# Altium PCB PCB1.PcbDoc (part 12 of 14) (continued)
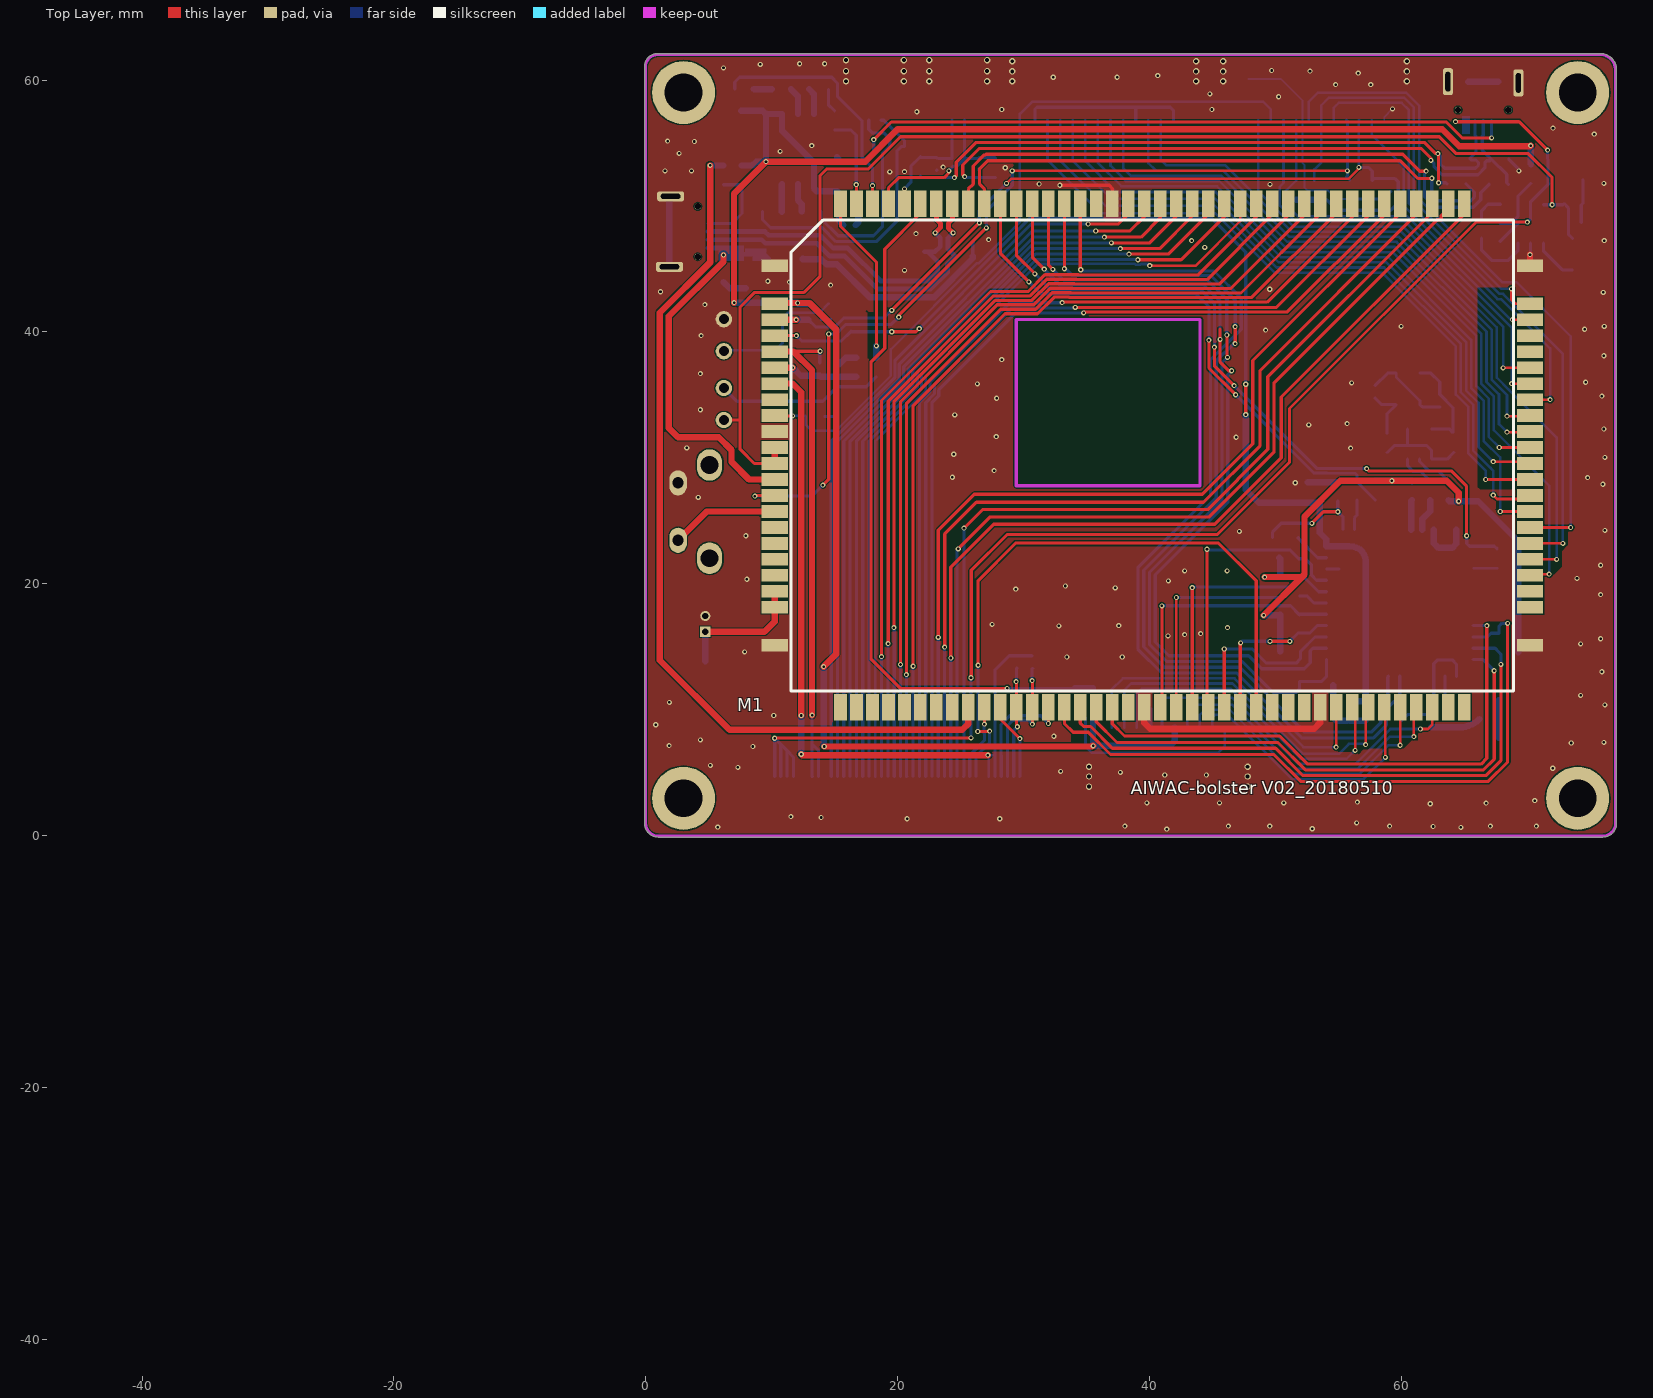
[diagram p0: Top Layer view]
## Free pads (board coordinates) (continued)
  round 0.001 on Mech10: 1(-45.291,-40.5) 1(-45.291,-40.5) 1(-45.291,-40.5) 1(-45.291,-40.495) 1(-45.291,-40.495) 1(-45.291,-40.495) 1(-45.287,-40.49) 1(-45.287,-40.49) 1(-45.287,-40.49) 1(-45.287,-40.488) 1(-45.287,-40.488) 1(-45.287,-40.488) 1(-45.287,-40.485) 1(-45.287,-40.485) 1(-45.287,-40.485) 1(-45.287,-40.482) 1(-45.287,-40.482) 1(-45.287,-40.482)
  round 0.002 on Mech14: 1(-45.291,-40.5) 1(-45.291,-40.5) 1(-45.291,-40.5) 1(-45.291,-40.499) 1(-45.291,-40.499) 1(-45.291,-40.499) 1(-45.291,-40.496) 1(-45.291,-40.496) 1(-45.291,-40.496) 1(-45.291,-40.495) 1(-45.291,-40.495) 1(-45.291,-40.495) 1(-45.289,-40.501) 1(-45.289,-40.501) 1(-45.289,-40.501) 1(-45.289,-40.501) 1(-45.289,-40.501) 1(-45.289,-40.501) 1(-45.289,-40.494) 1(-45.289,-40.494) 1(-45.289,-40.494) 1(-45.289,-40.494) 1(-45.289,-40.494) 1(-45.289,-40.494) 1(-45.287,-40.49) 1(-45.287,-40.49) 1(-45.287,-40.49) 1(-45.287,-40.488) 1(-45.287,-40.488) 1(-45.287,-40.488) 1(-45.287,-40.485) 1(-45.287,-40.485) 1(-45.287,-40.485) 1(-45.287,-40.482) 1(-45.287,-40.482) 1(-45.287,-40.482)
  round 0.002 on Mech15: 1(-45.291,-40.5) 1(-45.291,-40.5) 1(-45.291,-40.5) 1(-45.291,-40.499) 1(-45.291,-40.499) 1(-45.291,-40.499) 1(-45.291,-40.496) 1(-45.291,-40.496) 1(-45.291,-40.496) 1(-45.291,-40.495) 1(-45.291,-40.495) 1(-45.291,-40.495) 1(-45.289,-40.501) 1(-45.289,-40.501) 1(-45.289,-40.501) 1(-45.289,-40.501) 1(-45.289,-40.501) 1(-45.289,-40.501) 1(-45.289,-40.494) 1(-45.289,-40.494) 1(-45.289,-40.494) 1(-45.289,-40.494) 1(-45.289,-40.494) 1(-45.289,-40.494) 1(-45.287,-40.49) 1(-45.287,-40.49) 1(-45.287,-40.49) 1(-45.287,-40.488) 1(-45.287,-40.488) 1(-45.287,-40.488) 1(-45.287,-40.485) 1(-45.287,-40.485) 1(-45.287,-40.485) 1(-45.287,-40.482) 1(-45.287,-40.482) 1(-45.287,-40.482)
  round 0.005 on Mech3: 1(-45.291,-40.517) 1(-45.291,-40.517) 1(-45.291,-40.517) 1(-45.291,-40.464) 1(-45.291,-40.464) 1(-45.291,-40.464) 1(-45.22,-40.517) 1(-45.22,-40.517) 1(-45.22,-40.517) 1(-45.22,-40.464) 1(-45.22,-40.464) 1(-45.22,-40.464)
  round 0.005 on Mech2: 1(-45.291,-40.517) 1(-45.291,-40.517) 1(-45.291,-40.517) 1(-45.291,-40.464) 1(-45.291,-40.464) 1(-45.291,-40.464) 1(-45.22,-40.517) 1(-45.22,-40.517) 1(-45.22,-40.517) 1(-45.22,-40.464) 1(-45.22,-40.464) 1(-45.22,-40.464)
  round 0.005 on Mech10: 1(-45.291,-40.517) 1(-45.291,-40.517) 1(-45.291,-40.517) 1(-45.291,-40.464) 1(-45.291,-40.464) 1(-45.291,-40.464) 1(-45.22,-40.517) 1(-45.22,-40.517) 1(-45.22,-40.517) 1(-45.22,-40.464) 1(-45.22,-40.464) 1(-45.22,-40.464)
  round 0.005 on Mech14: 1(-45.291,-40.517) 1(-45.291,-40.517) 1(-45.291,-40.517) 1(-45.291,-40.464) 1(-45.291,-40.464) 1(-45.291,-40.464) 1(-45.22,-40.517) 1(-45.22,-40.517) 1(-45.22,-40.517) 1(-45.22,-40.464) 1(-45.22,-40.464) 1(-45.22,-40.464)
  round 0.005 on Mech15: 1(-45.291,-40.517) 1(-45.291,-40.517) 1(-45.291,-40.517) 1(-45.291,-40.464) 1(-45.291,-40.464) 1(-45.291,-40.464) 1(-45.22,-40.517) 1(-45.22,-40.517) 1(-45.22,-40.517) 1(-45.22,-40.464) 1(-45.22,-40.464) 1(-45.22,-40.464)
  round 0 on Mech5: 1(-45.29,-40.512) 1(-45.29,-40.512) 1(-45.29,-40.512) 1(-45.29,-40.512) 1(-45.29,-40.512) 1(-45.29,-40.512) 1(-45.29,-40.509) 1(-45.29,-40.509) 1(-45.29,-40.509) 1(-45.29,-40.509) 1(-45.29,-40.509) 1(-45.29,-40.509) 1(-45.289,-40.51) 1(-45.289,-40.51) 1(-45.289,-40.51) 1(-45.289,-40.511) 1(-45.289,-40.511) 1(-45.289,-40.511) 1(-45.289,-40.51) 1(-45.289,-40.51) 1(-45.289,-40.51) 1(-45.288,-40.51) 1(-45.288,-40.51) 1(-45.288,-40.51) 1(-45.288,-40.512) 1(-45.288,-40.512) 1(-45.288,-40.512) 1(-45.288,-40.512) 1(-45.288,-40.512) 1(-45.288,-40.512) 1(-45.288,-40.509) 1(-45.288,-40.509) 1(-45.288,-40.509) 1(-45.288,-40.509) 1(-45.288,-40.509) 1(-45.288,-40.509) 1(-45.287,-40.467) 1(-45.287,-40.467) 1(-45.287,-40.467) 1(-45.286,-40.478) 1(-45.286,-40.478) 1(-45.286,-40.478) 1(-45.286,-40.468) 1(-45.286,-40.468) 1(-45.286,-40.468) 1(-45.286,-40.467) 1(-45.286,-40.467) 1(-45.286,-40.467) 1(-45.286,-40.479) 1(-45.286,-40.479) 1(-45.286,-40.479) 1(-45.286,-40.478) 1(-45.286,-40.478) 1(-45.286,-40.478) 1(-45.286,-40.467) 1(-45.286,-40.467) 1(-45.286,-40.467) 1(-45.285,-40.478) 1(-45.285,-40.478) 1(-45.285,-40.478) 1(-45.283,-40.477) 1(-45.283,-40.477) 1(-45.283,-40.477) 1(-45.283,-40.478) 1(-45.283,-40.478) 1(-45.283,-40.478) 1(-45.283,-40.477) 1(-45.283,-40.477) 1(-45.283,-40.477) 1(-45.282,-40.477) 1(-45.282,-40.477) 1(-45.282,-40.477) 1(-45.282,-40.491) 1(-45.282,-40.491) 1(-45.282,-40.491) 1(-45.282,-40.491) 1(-45.282,-40.491) 1(-45.282,-40.491) 1(-45.282,-40.489) 1(-45.282,-40.489) 1(-45.282,-40.489) 1(-45.282,-40.489) 1(-45.282,-40.489) 1(-45.282,-40.489) 1(-45.281,-40.49) 1(-45.281,-40.49) 1(-45.281,-40.49) 1(-45.28,-40.49) 1(-45.28,-40.49) 1(-45.28,-40.49) 1(-45.28,-40.489) 1(-45.28,-40.489) 1(-45.28,-40.489) 1(-45.28,-40.49) 1(-45.28,-40.49) 1(-45.28,-40.49) 1(-45.279,-40.471) 1(-45.279,-40.471) 1(-45.279,-40.471) 1(-45.279,-40.491) 1(-45.279,-40.491) 1(-45.279,-40.491) 1(-45.279,-40.491) 1(-45.279,-40.491) 1(-45.279,-40.491) 1(-45.279,-40.489) 1(-45.279,-40.489) 1(-45.279,-40.489) 1(-45.279,-40.489) 1(-45.279,-40.489) 1(-45.279,-40.489) 1(-45.278,-40.471) 1(-45.278,-40.471) 1(-45.278,-40.471) 1(-45.278,-40.47) 1(-45.278,-40.47) 1(-45.278,-40.47) 1(-45.278,-40.471) 1(-45.278,-40.471) 1(-45.278,-40.471) 1(-45.239,-40.473) 1(-45.239,-40.473) 1(-45.239,-40.473) 1(-45.239,-40.473) 1(-45.239,-40.473) 1(-45.239,-40.473) 1(-45.239,-40.471) 1(-45.239,-40.471) 1(-45.239,-40.471) 1(-45.239,-40.471) 1(-45.239,-40.471) 1(-45.239,-40.471) 1(-45.238,-40.472) 1(-45.238,-40.472) 1(-45.238,-40.472) 1(-45.238,-40.472) 1(-45.238,-40.472) 1(-45.238,-40.472) 1(-45.238,-40.471) 1(-45.238,-40.471) 1(-45.238,-40.471) 1(-45.237,-40.472) 1(-45.237,-40.472) 1(-45.237,-40.472) 1(-45.237,-40.473) 1(-45.237,-40.473) 1(-45.237,-40.473) 1(-45.237,-40.473) 1(-45.237,-40.473) 1(-45.237,-40.473) 1(-45.237,-40.471) 1(-45.237,-40.471) 1(-45.237,-40.471) 1(-45.237,-40.471) 1(-45.237,-40.471) 1(-45.237,-40.471) 1(-45.237,-40.473) 1(-45.237,-40.473) 1(-45.237,-40.473) 1(-45.237,-40.473) 1(-45.237,-40.473) 1(-45.237,-40.473) 1(-45.237,-40.471) 1(-45.237,-40.471) 1(-45.237,-40.471) 1(-45.237,-40.471) 1(-45.237,-40.471) 1(-45.237,-40.471) 1(-45.236,-40.472) 1(-45.236,-40.472) 1(-45.236,-40.472) 1(-45.236,-40.472) 1(-45.236,-40.472) 1(-45.236,-40.472) 1(-45.236,-40.471) 1(-45.236,-40.471) 1(-45.236,-40.471) 1(-45.235,-40.472) 1(-45.235,-40.472) 1(-45.235,-40.472) 1(-45.235,-40.473) 1(-45.235,-40.473) 1(-45.235,-40.473) 1(-45.235,-40.473) 1(-45.235,-40.473) 1(-45.235,-40.473) 1(-45.235,-40.471) 1(-45.235,-40.471) 1(-45.235,-40.471) 1(-45.235,-40.471) 1(-45.235,-40.471) 1(-45.235,-40.471) 1(-45.221,-40.474) 1(-45.221,-40.474) 1(-45.221,-40.474) 1(-45.221,-40.474) 1(-45.221,-40.474) 1(-45.221,-40.474) 1(-45.221,-40.472) 1(-45.221,-40.472) 1(-45.221,-40.472) 1(-45.221,-40.472) 1(-45.221,-40.472) 1(-45.221,-40.472) 1(-45.221,-40.471) 1(-45.221,-40.471) 1(-45.221,-40.471) 1(-45.221,-40.472) 1(-45.221,-40.472) 1(-45.221,-40.472) 1(-45.221,-40.471) 1(-45.221,-40.471) 1(-45.221,-40.471) 1(-45.22,-40.473) 1(-45.22,-40.473) 1(-45.22,-40.473) 1(-45.22,-40.471) 1(-45.22,-40.471) 1(-45.22,-40.471) 1(-45.22,-40.474) 1(-45.22,-40.474) 1(-45.22,-40.474) 1(-45.22,-40.473) 1(-45.22,-40.473) 1(-45.22,-40.473) 1(-45.219,-40.473) 1(-45.219,-40.473) 1(-45.219,-40.473) 1(-45.219,-40.474) 1(-45.219,-40.474) 1(-45.219,-40.474) 1(-45.219,-40.474) 1(-45.219,-40.474) 1(-45.219,-40.474) 1(-45.219,-40.472) 1(-45.219,-40.472) 1(-45.219,-40.472) 1(-45.219,-40.472) 1(-45.219,-40.472) 1(-45.219,-40.472)
  round 0 on Mech4: 1(-45.29,-40.511) 1(-45.29,-40.511) 1(-45.29,-40.511) 1(-45.29,-40.511) 1(-45.29,-40.511) 1(-45.29,-40.511) 1(-45.29,-40.509) 1(-45.29,-40.509) 1(-45.29,-40.509) 1(-45.29,-40.509) 1(-45.29,-40.509) 1(-45.29,-40.509) 1(-45.288,-40.511) 1(-45.288,-40.511) 1(-45.288,-40.511) 1(-45.288,-40.511) 1(-45.288,-40.511) 1(-45.288,-40.511) 1(-45.288,-40.509) 1(-45.288,-40.509) 1(-45.288,-40.509) 1(-45.288,-40.509) 1(-45.288,-40.509) 1(-45.288,-40.509) 1(-45.287,-40.469) 1(-45.287,-40.469) 1(-45.287,-40.469) 1(-45.287,-40.469) 1(-45.287,-40.469) 1(-45.287,-40.469) 1(-45.287,-40.465) 1(-45.287,-40.465) 1(-45.287,-40.465) 1(-45.287,-40.465) 1(-45.287,-40.465) 1(-45.287,-40.465) 1(-45.287,-40.48) 1(-45.287,-40.48) 1(-45.287,-40.48) 1(-45.287,-40.48) 1(-45.287,-40.48) 1(-45.287,-40.48) 1(-45.287,-40.477) 1(-45.287,-40.477) 1(-45.287,-40.477) 1(-45.287,-40.477) 1(-45.287,-40.477) 1(-45.287,-40.477) 1(-45.285,-40.469) 1(-45.285,-40.469) 1(-45.285,-40.469) 1(-45.285,-40.469) 1(-45.285,-40.469) 1(-45.285,-40.469) 1(-45.285,-40.465) 1(-45.285,-40.465) 1(-45.285,-40.465) 1(-45.285,-40.465) 1(-45.285,-40.465) 1(-45.285,-40.465) 1(-45.285,-40.48) 1(-45.285,-40.48) 1(-45.285,-40.48) 1(-45.285,-40.48) 1(-45.285,-40.48) 1(-45.285,-40.48) 1(-45.285,-40.477) 1(-45.285,-40.477) 1(-45.285,-40.477) 1(-45.285,-40.477) 1(-45.285,-40.477) 1(-45.285,-40.477) 1(-45.284,-40.478) 1(-45.284,-40.478) 1(-45.284,-40.478) 1(-45.284,-40.478) 1(-45.284,-40.478) 1(-45.284,-40.478) 1(-45.284,-40.477) 1(-45.284,-40.477) 1(-45.284,-40.477) 1(-45.284,-40.477) 1(-45.284,-40.477) 1(-45.284,-40.477) 1(-45.281,-40.491) 1(-45.281,-40.491) 1(-45.281,-40.491) 1(-45.281,-40.491) 1(-45.281,-40.491) 1(-45.281,-40.491) 1(-45.281,-40.489) 1(-45.281,-40.489) 1(-45.281,-40.489) 1(-45.281,-40.489) 1(-45.281,-40.489) 1(-45.281,-40.489) 1(-45.281,-40.478) 1(-45.281,-40.478) 1(-45.281,-40.478) 1(-45.281,-40.478) 1(-45.281,-40.478) 1(-45.281,-40.478) 1(-45.281,-40.477) 1(-45.281,-40.477) 1(-45.281,-40.477) 1(-45.281,-40.477) 1(-45.281,-40.477) 1(-45.281,-40.477) 1(-45.279,-40.472) 1(-45.279,-40.472) 1(-45.279,-40.472) 1(-45.279,-40.472) 1(-45.279,-40.472) 1(-45.279,-40.472) 1(-45.279,-40.469) 1(-45.279,-40.469) 1(-45.279,-40.469) 1(-45.279,-40.469) 1(-45.279,-40.469) 1(-45.279,-40.469) 1(-45.279,-40.491) 1(-45.279,-40.491) 1(-45.279,-40.491) 1(-45.279,-40.491) 1(-45.279,-40.491) 1(-45.279,-40.491) 1(-45.279,-40.489) 1(-45.279,-40.489) 1(-45.279,-40.489) 1(-45.279,-40.489) 1(-45.279,-40.489) 1(-45.279,-40.489) 1(-45.278,-40.472) 1(-45.278,-40.472) 1(-45.278,-40.472) 1(-45.278,-40.472) 1(-45.278,-40.472) 1(-45.278,-40.472) 1(-45.278,-40.469) 1(-45.278,-40.469) 1(-45.278,-40.469) 1(-45.278,-40.469) 1(-45.278,-40.469) 1(-45.278,-40.469) 1(-45.238,-40.473) 1(-45.238,-40.473) 1(-45.238,-40.473) 1(-45.238,-40.473) 1(-45.238,-40.473) 1(-45.238,-40.473) 1(-45.238,-40.471) 1(-45.238,-40.471) 1(-45.238,-40.471) 1(-45.238,-40.471) 1(-45.238,-40.471) 1(-45.238,-40.471) 1(-45.237,-40.473) 1(-45.237,-40.473) 1(-45.237,-40.473) 1(-45.237,-40.473) 1(-45.237,-40.473) 1(-45.237,-40.473) 1(-45.237,-40.471) 1(-45.237,-40.471) 1(-45.237,-40.471) 1(-45.237,-40.471) 1(-45.237,-40.471) 1(-45.237,-40.471) 1(-45.237,-40.473) 1(-45.237,-40.473) 1(-45.237,-40.473) 1(-45.237,-40.473) 1(-45.237,-40.473) 1(-45.237,-40.473) 1(-45.237,-40.471) 1(-45.237,-40.471) 1(-45.237,-40.471) 1(-45.237,-40.471) 1(-45.237,-40.471) 1(-45.237,-40.471) 1(-45.235,-40.473) 1(-45.235,-40.473) 1(-45.235,-40.473) 1(-45.235,-40.473) 1(-45.235,-40.473) 1(-45.235,-40.473) 1(-45.235,-40.471) 1(-45.235,-40.471) 1(-45.235,-40.471) 1(-45.235,-40.471) 1(-45.235,-40.471) 1(-45.235,-40.471) 1(-45.222,-40.472) 1(-45.222,-40.472) 1(-45.222,-40.472) 1(-45.222,-40.472) 1(-45.222,-40.472) 1(-45.222,-40.472) 1(-45.222,-40.47) 1(-45.222,-40.47) 1(-45.222,-40.47) 1(-45.222,-40.47) 1(-45.222,-40.47) 1(-45.222,-40.47) 1(-45.221,-40.474) 1(-45.221,-40.474) 1(-45.221,-40.474) 1(-45.221,-40.474) 1(-45.221,-40.474) 1(-45.221,-40.474) 1(-45.221,-40.472) 1(-45.221,-40.472) 1(-45.221,-40.472) 1(-45.221,-40.472) 1(-45.221,-40.472) 1(-45.221,-40.472) 1(-45.219,-40.472) 1(-45.219,-40.472) 1(-45.219,-40.472) 1(-45.219,-40.472) 1(-45.219,-40.472) 1(-45.219,-40.472) 1(-45.219,-40.47) 1(-45.219,-40.47) 1(-45.219,-40.47) 1(-45.219,-40.47) 1(-45.219,-40.47) 1(-45.219,-40.47) 1(-45.219,-40.474) 1(-45.219,-40.474) 1(-45.219,-40.474) 1(-45.219,-40.474) 1(-45.219,-40.474) 1(-45.219,-40.474) 1(-45.219,-40.472) 1(-45.219,-40.472) 1(-45.219,-40.472) 1(-45.219,-40.472) 1(-45.219,-40.472) 1(-45.219,-40.472)
  round 0.001 on Mech14: 1(-45.29,-40.477) 1(-45.29,-40.477) 1(-45.29,-40.477) 1(-45.29,-40.473) 1(-45.29,-40.473) 1(-45.29,-40.473) 1(-45.271,-40.475) 1(-45.271,-40.475) 1(-45.271,-40.475) 1(-45.269,-40.475) 1(-45.269,-40.475) 1(-45.269,-40.475) 1(-45.229,-40.466) 1(-45.229,-40.466) 1(-45.229,-40.466) 1(-45.225,-40.466) 1(-45.225,-40.466) 1(-45.225,-40.466)
  round 0.001 on Mech15: 1(-45.29,-40.477) 1(-45.29,-40.477) 1(-45.29,-40.477) 1(-45.29,-40.473) 1(-45.29,-40.473) 1(-45.29,-40.473) 1(-45.284,-40.472) 1(-45.284,-40.472) 1(-45.284,-40.472) 1(-45.284,-40.471) 1(-45.284,-40.471) 1(-45.284,-40.471) 1(-45.284,-40.467) 1(-45.284,-40.467) 1(-45.284,-40.467) 1(-45.284,-40.465) 1(-45.284,-40.465) 1(-45.284,-40.465) 1(-45.283,-40.472) 1(-45.283,-40.472) 1(-45.283,-40.472) 1(-45.283,-40.471) 1(-45.283,-40.471) 1(-45.283,-40.471) 1(-45.283,-40.467) 1(-45.283,-40.467) 1(-45.283,-40.467) 1(-45.283,-40.465) 1(-45.283,-40.465) 1(-45.283,-40.465) 1(-45.282,-40.472) 1(-45.282,-40.472) 1(-45.282,-40.472) 1(-45.282,-40.471) 1(-45.282,-40.471) 1(-45.282,-40.471) 1(-45.282,-40.467) 1(-45.282,-40.467) 1(-45.282,-40.467) 1(-45.282,-40.465) 1(-45.282,-40.465) 1(-45.282,-40.465) 1(-45.28,-40.472) 1(-45.28,-40.472) 1(-45.28,-40.472) 1(-45.28,-40.471) 1(-45.28,-40.471) 1(-45.28,-40.471) 1(-45.28,-40.467) 1(-45.28,-40.467) 1(-45.28,-40.467) 1(-45.28,-40.465) 1(-45.28,-40.465) 1(-45.28,-40.465) 1(-45.271,-40.475) 1(-45.271,-40.475) 1(-45.271,-40.475) 1(-45.269,-40.475) 1(-45.269,-40.475) 1(-45.269,-40.475) 1(-45.233,-40.494) 1(-45.233,-40.494) 1(-45.233,-40.494) 1(-45.233,-40.493) 1(-45.233,-40.493) 1(-45.233,-40.493) 1(-45.232,-40.494) 1(-45.232,-40.494) 1(-45.232,-40.494) 1(-45.232,-40.493) 1(-45.232,-40.493) 1(-45.232,-40.493) 1(-45.232,-40.491) 1(-45.232,-40.491) 1(-45.232,-40.491) 1(-45.232,-40.491) 1(-45.232,-40.491) 1(-45.232,-40.491) 1(-45.231,-40.494) 1(-45.231,-40.494) 1(-45.231,-40.494) 1(-45.231,-40.493) 1(-45.231,-40.493) 1(-45.231,-40.493) 1(-45.231,-40.491) 1(-45.231,-40.491) 1(-45.231,-40.491) 1(-45.231,-40.491) 1(-45.231,-40.491) 1(-45.231,-40.491) 1(-45.229,-40.466) 1(-45.229,-40.466) 1(-45.229,-40.466) 1(-45.225,-40.466) 1(-45.225,-40.466) 1(-45.225,-40.466)
  round 0.002 on Mech3: 1(-45.289,-40.501) 1(-45.289,-40.501) 1(-45.289,-40.501) 1(-45.289,-40.501) 1(-45.289,-40.501) 1(-45.289,-40.501) 1(-45.289,-40.494) 1(-45.289,-40.494) 1(-45.289,-40.494) 1(-45.289,-40.494) 1(-45.289,-40.494) 1(-45.289,-40.494)
  round 0.002 on Mech2: 1(-45.289,-40.501) 1(-45.289,-40.501) 1(-45.289,-40.501) 1(-45.289,-40.501) 1(-45.289,-40.501) 1(-45.289,-40.501) 1(-45.289,-40.494) 1(-45.289,-40.494) 1(-45.289,-40.494) 1(-45.289,-40.494) 1(-45.289,-40.494) 1(-45.289,-40.494)
  round 0.002 on Mech10: 1(-45.289,-40.501) 1(-45.289,-40.501) 1(-45.289,-40.501) 1(-45.289,-40.501) 1(-45.289,-40.501) 1(-45.289,-40.501) 1(-45.289,-40.494) 1(-45.289,-40.494) 1(-45.289,-40.494) 1(-45.289,-40.494) 1(-45.289,-40.494) 1(-45.289,-40.494)
  round 0.001 on Mech13: 1(-45.284,-40.472) 1(-45.284,-40.472) 1(-45.284,-40.472) 1(-45.284,-40.471) 1(-45.284,-40.471) 1(-45.284,-40.471) 1(-45.284,-40.467) 1(-45.284,-40.467) 1(-45.284,-40.467) 1(-45.284,-40.465) 1(-45.284,-40.465) 1(-45.284,-40.465) 1(-45.283,-40.472) 1(-45.283,-40.472) 1(-45.283,-40.472) 1(-45.283,-40.471) 1(-45.283,-40.471) 1(-45.283,-40.471) 1(-45.283,-40.467) 1(-45.283,-40.467) 1(-45.283,-40.467) 1(-45.283,-40.465) 1(-45.283,-40.465) 1(-45.283,-40.465) 1(-45.282,-40.472) 1(-45.282,-40.472) 1(-45.282,-40.472) 1(-45.282,-40.471) 1(-45.282,-40.471) 1(-45.282,-40.471) 1(-45.282,-40.467) 1(-45.282,-40.467) 1(-45.282,-40.467) 1(-45.282,-40.465) 1(-45.282,-40.465) 1(-45.282,-40.465) 1(-45.28,-40.472) 1(-45.28,-40.472) 1(-45.28,-40.472) 1(-45.28,-40.471) 1(-45.28,-40.471) 1(-45.28,-40.471) 1(-45.28,-40.467) 1(-45.28,-40.467) 1(-45.28,-40.467) 1(-45.28,-40.465) 1(-45.28,-40.465) 1(-45.28,-40.465) 1(-45.233,-40.494) 1(-45.233,-40.494) 1(-45.233,-40.494) 1(-45.233,-40.493) 1(-45.233,-40.493) 1(-45.233,-40.493) 1(-45.232,-40.494) 1(-45.232,-40.494) 1(-45.232,-40.494) 1(-45.232,-40.493) 1(-45.232,-40.493) 1(-45.232,-40.493) 1(-45.232,-40.491) 1(-45.232,-40.491) 1(-45.232,-40.491) 1(-45.232,-40.491) 1(-45.232,-40.491) 1(-45.232,-40.491) 1(-45.231,-40.494) 1(-45.231,-40.494) 1(-45.231,-40.494) 1(-45.231,-40.493) 1(-45.231,-40.493) 1(-45.231,-40.493) 1(-45.231,-40.491) 1(-45.231,-40.491) 1(-45.231,-40.491) 1(-45.231,-40.491) 1(-45.231,-40.491) 1(-45.231,-40.491)
  round 0 on Mech11: 1(-45.282,-40.512) 1(-45.282,-40.512) 1(-45.282,-40.512) 1(-45.282,-40.512) 1(-45.282,-40.512) 1(-45.282,-40.512) 1(-45.282,-40.477) 1(-45.282,-40.477) 1(-45.282,-40.477) 1(-45.282,-40.477) 1(-45.282,-40.477) 1(-45.282,-40.477) 1(-45.28,-40.474) 1(-45.28,-40.474) 1(-45.28,-40.474) 1(-45.28,-40.474) 1(-45.28,-40.474) 1(-45.28,-40.474) 1(-45.225,-40.512) 1(-45.225,-40.512) 1(-45.225,-40.512) 1(-45.225,-40.512) 1(-45.225,-40.512) 1(-45.225,-40.512) 1(-45.225,-40.474) 1(-45.225,-40.474) 1(-45.225,-40.474) 1(-45.225,-40.474) 1(-45.225,-40.474) 1(-45.225,-40.474)
  round 0 on Mech9: 1(-45.264,-40.495) 1(-45.264,-40.495) 1(-45.264,-40.495) 1(-45.264,-40.495) 1(-45.264,-40.495) 1(-45.264,-40.495) 1(-45.264,-40.482) 1(-45.264,-40.482) 1(-45.264,-40.482) 1(-45.264,-40.482) 1(-45.264,-40.482) 1(-45.264,-40.482) 1(-45.25,-40.495) 1(-45.25,-40.495) 1(-45.25,-40.495) 1(-45.25,-40.495) 1(-45.25,-40.495) 1(-45.25,-40.495) 1(-45.25,-40.482) 1(-45.25,-40.482) 1(-45.25,-40.482) 1(-45.25,-40.482) 1(-45.25,-40.482) 1(-45.25,-40.482)
  round 0 on Mech6: 1(-45.264,-40.495) 1(-45.264,-40.495) 1(-45.264,-40.495) 1(-45.264,-40.495) 1(-45.264,-40.495) 1(-45.264,-40.495) 1(-45.264,-40.482) 1(-45.264,-40.482) 1(-45.264,-40.482) 1(-45.264,-40.482) 1(-45.264,-40.482) 1(-45.264,-40.482) 1(-45.25,-40.495) 1(-45.25,-40.495) 1(-45.25,-40.495) 1(-45.25,-40.495) 1(-45.25,-40.495) 1(-45.25,-40.495) 1(-45.25,-40.482) 1(-45.25,-40.482) 1(-45.25,-40.482) 1(-45.25,-40.482) 1(-45.25,-40.482) 1(-45.25,-40.482)
  round 0.406 hole 0.203: 4(22.987,47.854) 4(24.409,47.854)

## Via types
v1: diameter 0.406, hole 0.203, Top Layer to Bottom Layer, tented both sides, 294 vias
v2: diameter 0.508, hole 0.305, Top Layer to Bottom Layer, tented both sides, 30 vias

## Nets (pads, with @x,y where several pads share a name; then routed paths per layer and width w, separated by ;. In a path a pad name is that pad's centre, name@x,y a point inside that pad or via, vN(x,y) a via of type N, cw(c..) or ccw(c..) an arc to the next point about the centre after c; other vN are vias at no path point)
+VBS1_5V: C104.1 C105.2 J3.1 J3.2 J3.3 J3.4 J11.1 R103.2 U10.5 | length 116.8
  Top Layer w0.254: v1(10.236,7.722) 10.262,7.747 v1(25.832,7.747) ; v1(25.832,12.522) 25.857,12.548 25.857,21.057 28.702,23.901 45.39,23.901 51.13,29.642 51.13,33.909 65.938,48.717 v1(70.028,48.717) ; v1(64.313,56.693) 69.367,56.693 v1(71.628,54.432)
  Bottom Layer w0.254: J3.1@10.226,4.674 10.236,4.683 v1(10.236,7.722) 10.726,7.231 ; J3.2@10.726,4.674 10.726,7.231 ; J3.3@11.226,4.674 11.226,6.731 ; J3.4@11.726,4.674 11.726,6.231 11.226,6.731 ; v1(25.832,7.747) v1(25.832,12.522) ; v1(64.313,56.693) 65.112,56.693 J11.1@65.213,56.794 ; R103.2@67.869,47.193 69.393,48.717 v1(70.028,48.717) 70.282,48.971 U10.5@70.282,50.089 70.282,50.327 71.726,51.771 71.653,51.844 C105.2@71.653,53.696 71.628,53.721 v1(71.628,54.432) ; 10.726,7.231 11.226,6.731
AP-CK32KO: M1.110 R79.2 R80.2 | length 45
  Top Layer w0.254: M1.110@28.166,50.175 28.166,46.231 v1(30.429,43.967) ; v1(44.731,39.346) 44.731,37.121 v1(46.85,35.001)
  Bottom Layer w0.203: 54.102,28.778 56.337,28.778 56.49,28.626 R79.2@56.49,28.143
  Bottom Layer w0.254: v1(30.429,43.967) 31.369,43.028 43.688,43.028 44.731,41.985 v1(44.731,39.346) ; v1(46.85,35.001) 53.073,28.778 54.102,28.778 ; R79.2@56.49,28.143 56.49,28.092 R80.2@57.937,26.645
AP-UART1-CTS: M1.38 U7.41 | length 44.2
  Top Layer w0.254: M1.38@37.056,10.175 37.056,8.867 38.024,7.899 50.343,7.899 52.578,5.664 66.345,5.664 66.802,6.121 v1(66.802,16.662)
  Bottom Layer w0.254: U7.41@65.71,16.662 v1(66.802,16.662)
AP-UART1-RTS: M1.37 U7.44 | length 43.8
  Top Layer w0.254: M1.37@35.786,10.175 35.786,9.02 37.427,7.379 50.217,7.379 52.389,5.207 66.534,5.207 67.386,6.059 v1(67.386,13.081)
  Bottom Layer w0.254: U7.44@65.71,13.962 66.505,13.962 v1(67.386,13.081)
AP-UART1-RX: M1.35 R72.2 U7.42 | length 53.6
  Top Layer w0.254: M1.35@33.246,10.175 33.246,8.893 33.947,8.191 35.143,8.191 36.908,6.426 49.876,6.426 52.01,4.293 66.913,4.293 68.453,5.833 v1(68.453,16.84)
  Bottom Layer w0.254: U7.42@65.71,15.762 66.842,15.762 67.132,16.053 R72.2@67.767,16.053 67.767,16.612 67.996,16.84 v1(68.453,16.84)
AP-UART1-TX: M1.36 R73.2 U7.43 | length 47.7
  Top Layer w0.254: M1.36@34.516,10.175 34.516,8.918 34.785,8.649 35.333,8.649 37.06,6.921 50.028,6.921 52.199,4.75 66.724,4.75 67.92,5.946 v1(67.92,13.589)
  Bottom Layer w0.254: U7.43@65.71,14.862 67.459,14.862 R73.2@67.767,14.554 67.92,14.402 v1(67.92,13.589)
AVDD-CSI: C29.1 J2.3 M1.8 | length 58.5
  Top Layer w0.254: M1.8@10.231,33.35 10.256,33.325 v1(11.659,33.325)
  Bottom Layer w0.203: v1(11.659,33.325) C29.1@12.661,33.325 ; C29.1@12.712,33.274 12.712,32.602 13.183,32.131 15.088,32.131 19.456,36.5 19.456,38.608 26.278,45.43 26.436,45.43 29.718,48.711 29.718,57.302 30.683,58.268 49.047,58.268 49.654,57.661 J2.3@49.654,56.805
BT-HOST-WAKE: M1.106 U7.7 | length 76.3
  Top Layer w0.254: v1(33.246,45.011) M1.106@33.246,50.175 ; v1(46.812,39.065) v1(46.812,40.411)
  Bottom Layer w0.254: v1(33.246,45.011) 33.342,45.011 33.875,44.479 44.853,44.479 46.812,42.52 v1(46.812,40.411) ; v1(46.812,39.065) 46.686,39.065 45.314,37.692 45.314,26.838 39.548,21.072 39.548,14.988 41.176,13.36 47.193,13.36 48.641,11.913 48.641,11.909 52.345,8.204 57.62,8.204 58.369,8.953 58.369,10.385 58.938,10.954 58.938,12.591 U7.7@58.985,12.637
BT-RST-N: M1.109 R74.1 U7.34 | length 57.5
  Top Layer w0.254: M1.109@29.436,50.175 29.436,46.078 v1(30.912,44.602) ; v1(45.161,38.786) 45.161,37.299 v1(46.729,35.731) ; v1(57.252,29.134) 57.429,28.956 63.983,28.956 65.176,27.762 65.176,23.825 v1(65.202,23.8)
  Bottom Layer w0.254: v1(30.912,44.602) 32.131,43.383 44.044,43.383 45.161,42.266 v1(45.161,38.786) ; v1(46.729,35.731) 53.326,29.134 v1(57.252,29.134) ; v1(65.202,23.8) 65.202,23.19 65.43,22.962 U7.34@65.71,22.962 67.411,22.962 R74.1@67.615,22.758
BT-WAKE: M1.105 R77.1 U7.6 | length 77.9
  Top Layer w0.203: M1.105@34.516,50.175 M1.105@34.519,50.173
  Top Layer w0.254: M1.105@34.516,50.175 34.516,44.961 v1(34.544,44.933)
  Bottom Layer w0.254: v1(34.544,44.933) 34.644,44.833 45.134,44.833 47.295,42.672 47.295,40.208 44.856,37.77 44.856,27.027 39.091,21.261 39.091,14.799 40.986,12.903 46.947,12.903 52.103,7.747 57.809,7.747 58.826,8.764 58.826,10.033 59.459,10.665 R77.1@60.043,10.665 ; R77.1@59.885,10.824 U7.6@59.885,12.637
CHGLED: M1.120 R83.2 | length 13.4
  Top Layer w0.203: M1.120@15.466,49.606 M1.120@15.466,50.175
  Top Layer w0.254: M1.120@15.466,49.606 15.466,48.39 18.313,45.542 v1(18.313,38.887)
  Bottom Layer w0.508: R83.2@18.313,37.948 v1(18.313,38.887)
DOVDD-CSI: C23.1 C24.1 C25.1 J2.10 M1.2 R39.2 R50.1 | length 70.8
  Top Layer w0.203: v1(28.651,51.791) 29.032,52.172 55.836,52.172 56.642,52.977 v1(56.642,53.061)
  Top Layer w0.254: v1(19.533,41.707) v1(26.492,48.666)
  Top Layer w0.508: M1.2@10.231,40.97 v1(11.938,40.97)
  Bottom Layer w0.203: v1(56.642,53.061) 56.642,56.793 J2.10@56.654,56.805
  Bottom Layer w0.254: C23.1@12.903,40.97 13.487,40.386 15.011,40.386 15.723,41.097 18.923,41.097 v1(19.533,41.707) ; v1(26.492,48.666) 26.492,49.632 v1(28.651,51.791) ; R39.2@53.111,50.495 54.077,50.495 54.909,49.663 56.768,49.663 56.787,49.682 56.853,49.682 56.872,49.663 59.162,49.663 59.766,50.267 59.766,51.918 59.512,52.172 C25.1@59.182,52.172 57.837,52.172 C24.1@57.709,52.043 57.709,52.756 57.404,53.061 v1(56.642,53.061)
  Bottom Layer w0.508: v1(11.938,40.97) C23.1@12.903,40.97 ; R50.1@51.664,50.495 R39.2@53.111,50.495
DVDD1V8-CSI: C28.1 J2.9 M1.13 | length 72.6
  Top Layer w0.203: v1(29.108,52.781) v1(55.728,52.781)
  Top Layer w0.254: v1(8.661,26.949) 8.712,27 M1.13@10.231,27 ; v1(14.065,27.819) 14.529,28.283 v1(14.529,39.827) ; v1(20.091,41.173) 20.091,41.3 v1(27.051,48.26)
  Bottom Layer w0.203: C28.1@55.654,52.32 C28.1@55.931,52.043
  Bottom Layer w0.254: v1(8.661,26.949) 13.195,26.949 v1(14.065,27.819) ; v1(14.529,39.827) 15.138,39.827 15.9,40.589 19.507,40.589 v1(20.091,41.173) ; v1(27.051,48.26) 27.051,49.581 29.108,51.638 v1(29.108,52.781) ; C28.1@55.654,52.32 55.728,52.393 v1(55.728,52.781) 55.728,56.732 J2.9@55.654,56.805